# Altium PCB Tub_Board.PcbDoc (part 2 of 2)
Units mm, origin at the board's own origin, x right, y up, seen from the top; angles counter-clockwise.
Board outline 198 x 198 mm, 2 copper layers (Top Layer, Bottom Layer), stack 1.671 mm thick; 233 components, 179 nets, 696 pads, 84 vias.
Unrouted connection lines stored in the file: 22.
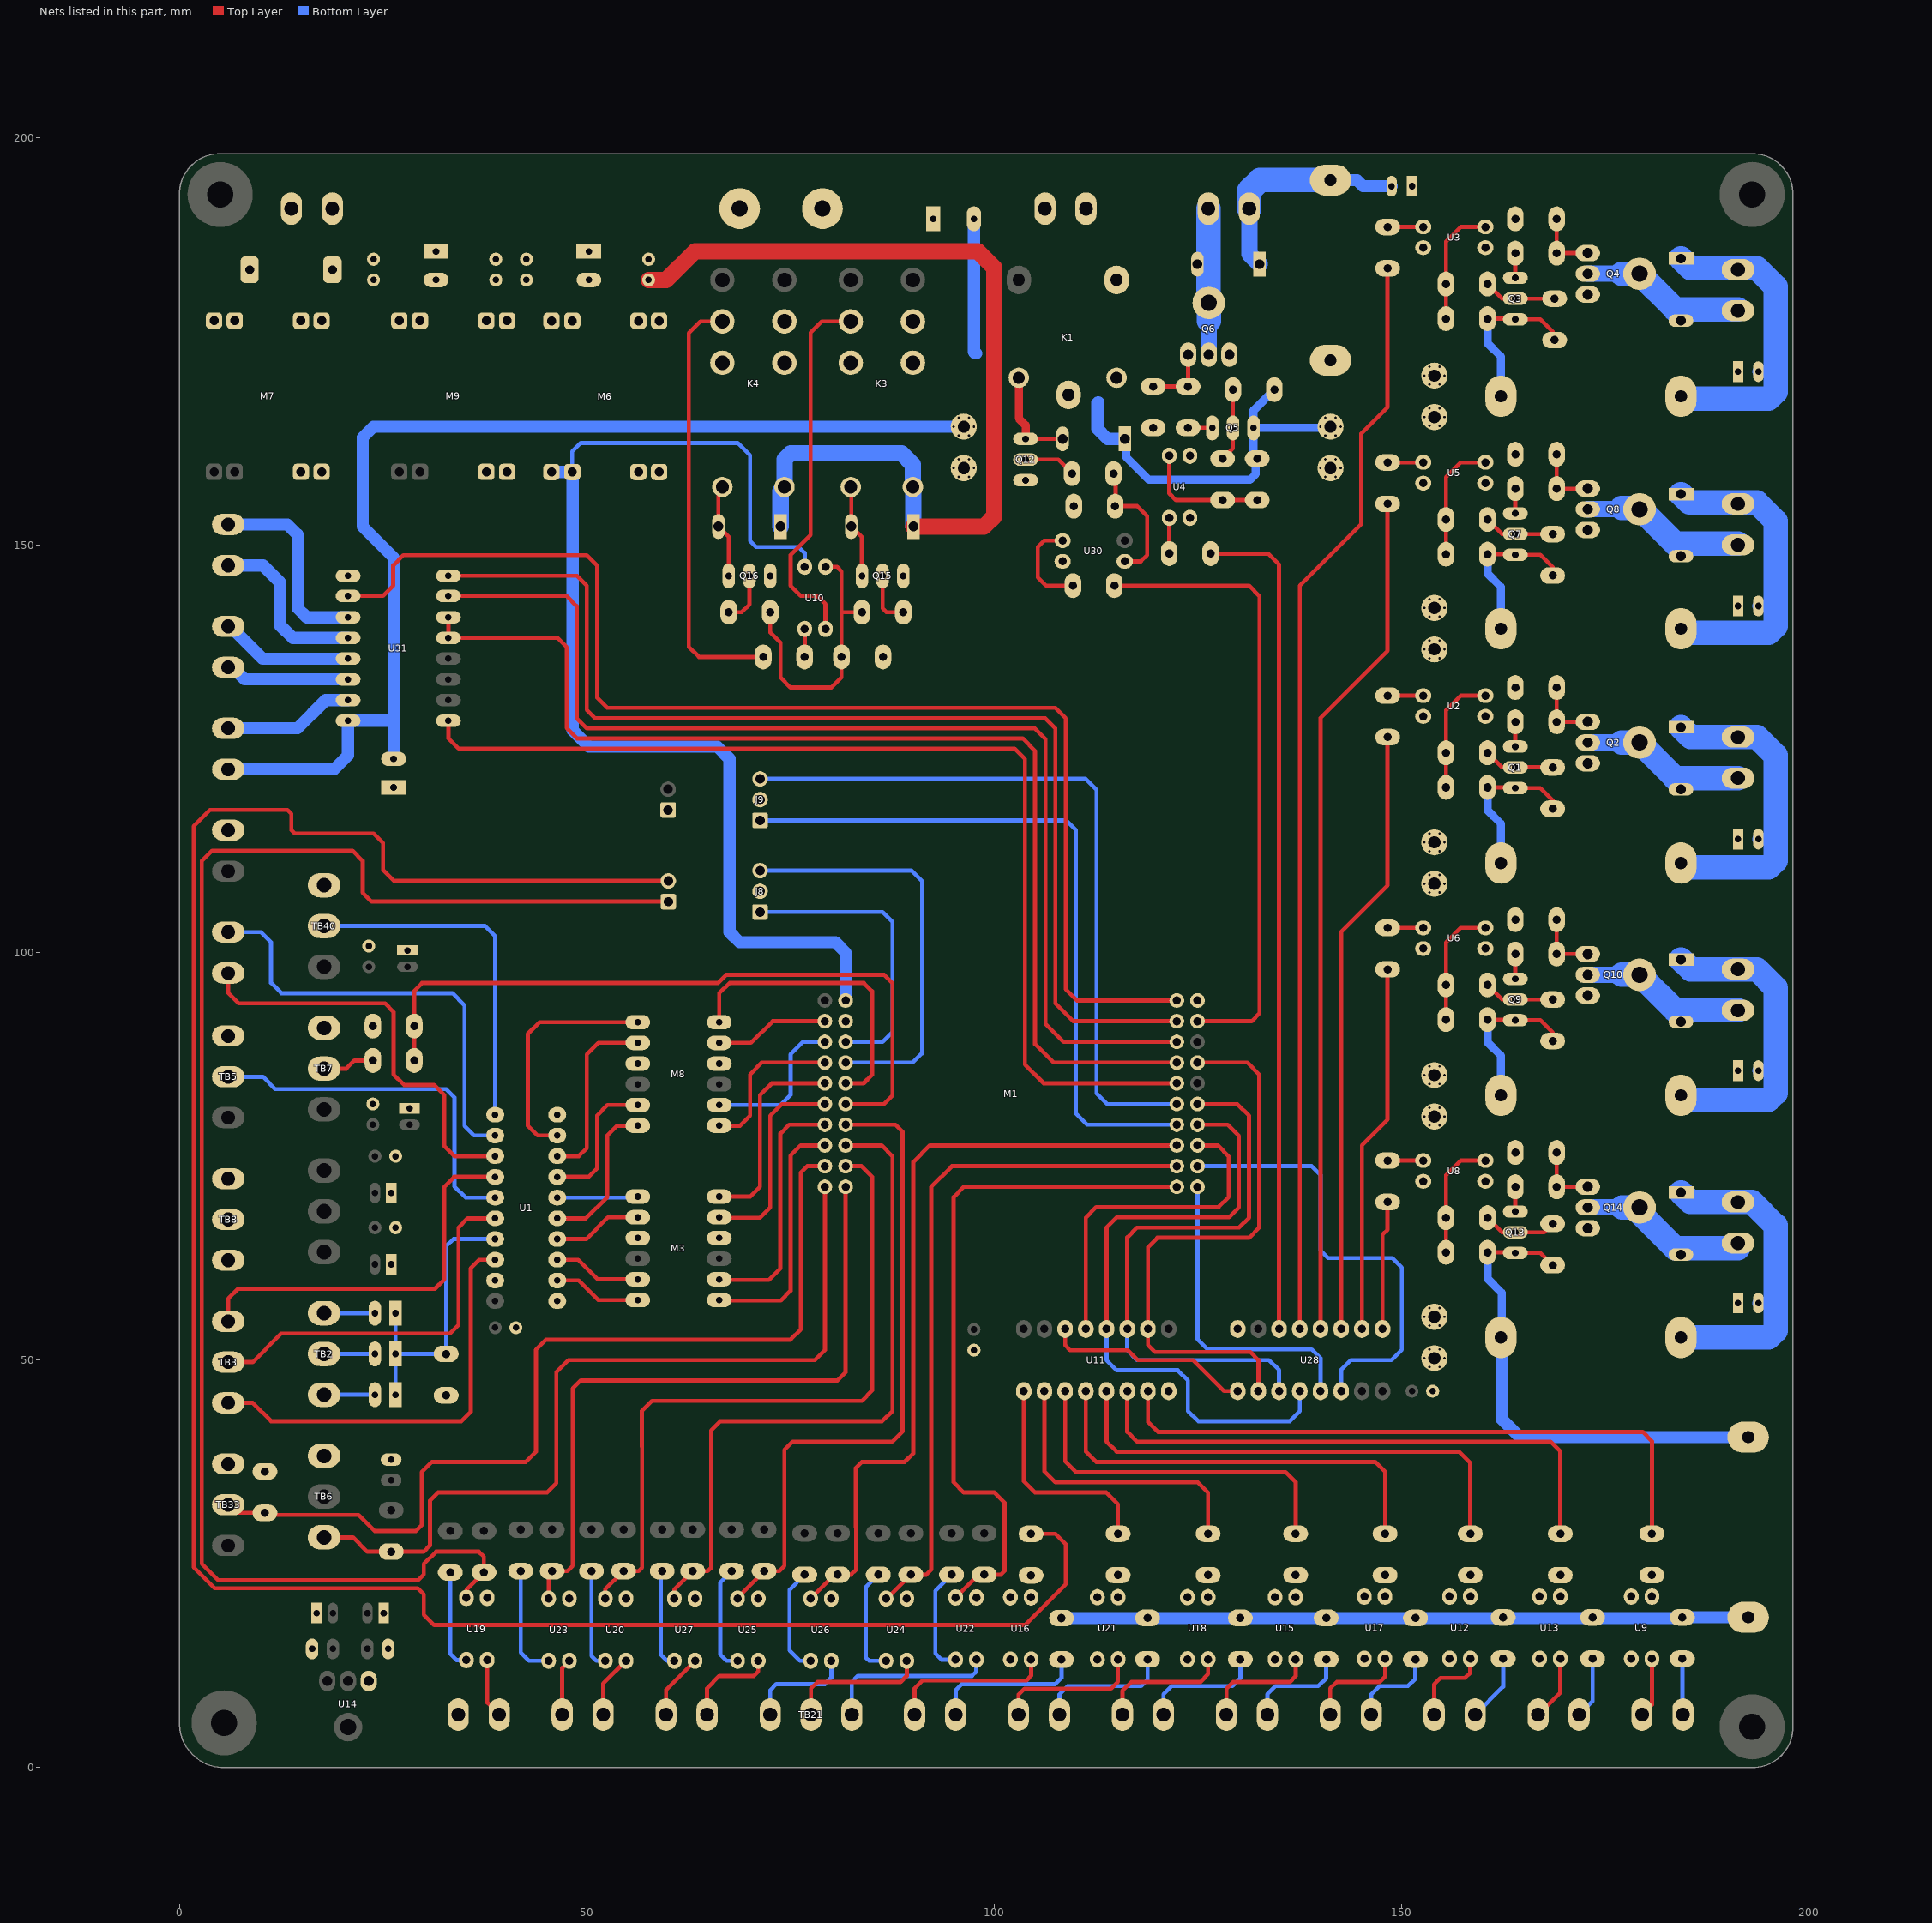
[diagram p2: the nets of this part, all layers, seen from the top]

## Via types
v1: diameter 0.6, hole 0.3, Top Layer to Bottom Layer, 84 vias

## Nets (pads, with @x,y where several pads share a name; then routed paths per layer and width w, separated by ;. In a path a pad name is that pad's centre, name@x,y a point inside that pad or via, vN(x,y) a via of type N, cw(c..) or ccw(c..) an arc to the next point about the centre after c; other vN are vias at no path point) (continued)
+Bat: C23.A C24.A D9.K F1.1 F2.1 F3.1 F4.1 F5.1 F6.2 F7.2 J1.1 J1.2 J2.1 J2.2 J3.1 J3.2 J4.1 J4.2 J5.1 J5.2 J6.1 J6.2 J7.1 J7.2 K1.1 K1.4 K3.2 K3.7 Q1.1 Q3.1 Q5.1 Q7.1 Q9.1 Q13.1 R19.2 R25.2 R31.2 R37.2 R43.2 R53.2 R63.2 R64.2 R65.2 R66.2 R67.2 R68.2 TB34.2 U31.V_MOT | length 340.4
  Top Layer w0.5: R53.2@160.5,63.22 163.84,63.22 Q13.1@163.92,63.14 167,63.14 R68.2@168.5,61.641 ; R43.2@160.5,91.764 Q9.1@163.84,91.764 ; R19.2@160.5,120.25 Q1.1@163.84,120.25 ; R37.2@160.5,148.863 Q7.1@163.84,148.863 ; R25.2@160.5,177.75 Q3.1@163.84,177.75 ; Q9.1@163.92,91.684 167,91.684 168.5,90.185 ; Q1.1@163.92,120.17 167,120.17 168.5,118.67 ; Q7.1@163.92,148.783 167,148.783 168.5,147.283 ; Q3.1@163.92,177.67 167,177.67 168.5,176.17
  Bottom Layer w1: D9.K@116,163 116.173,162.827 116.173,160.765 118.938,158 131.397,158 132.078,158.68 132.078,160.402 R31.2@132.25,160.574 131.815,161.009 Q5.1@131.815,164.352 ; R67.2@134.355,169.04 131.815,166.5 Q5.1@131.815,164.352 ; J7.2@141.25,164.501 141.101,164.352 Q5.1@131.815,164.352 ; R53.2@160.5,63.22 160.5,60 162.25,58.25 F5.1@162.25,52.866 ; R43.2@160.5,91.764 160.5,89 162.152,87.348 F4.1@162.152,82.471 ; R19.2@160.5,120.25 160.5,117.45 162.152,115.798 F2.1@162.152,110.971 ; R37.2@160.5,148.863 160.5,146.5 162.152,144.848 F1.1@162.152,139.721 ; R25.2@160.5,177.75 160.5,174.75 162.152,173.098 F3.1@162.152,168.221
  Bottom Layer w1.5: TB34.2@6,122.471 18.971,122.471 20.7,124.2 U31.V_MOT@20.7,128.42 26.12,128.42 26.29,128.25 ; C24.A@26.29,123.75 26.29,128.25 ; J1.2@96.25,164.501 v1(95,164.501) 23.83,164.501 22.5,163.17 22.5,152.25 26.29,148.46 26.29,128.25 ; C23.A@97.5,190 97.5,173.75 ccw(c97.75,173.75) 97.75,173.5 ; 112.75,167.5 112.646,167.396 112.646,164.25 113.896,163 D9.K@116,163 ; F5.1@162.25,52.866 162.25,42.75 164.462,40.538 F7.2@192.5,40.538
  other v1: 153.375,49.145 154.625,49.145 152.75,50.228 155.25,50.228 153.375,51.31 154.625,51.31 153.375,54.225 154.625,54.225 152.75,55.308 155.25,55.308 153.375,56.39 154.625,56.39 153.375,78.787 154.625,78.787 152.75,79.87 155.25,79.87 153.375,80.953 154.625,80.953 153.375,83.867 154.625,83.867 152.75,84.95 155.25,84.95 153.375,86.033 154.625,86.033 153.375,107.348 154.625,107.348 152.75,108.431 155.25,108.431 153.375,109.513 154.625,109.513 153.375,112.428 154.625,112.428 152.75,113.511 155.25,113.511 153.375,114.593 154.625,114.593 153.375,136.098 154.625,136.098 152.75,137.181 155.25,137.181 153.375,138.263 154.625,138.263 153.375,141.178 154.625,141.178 152.75,142.261 155.25,142.261 153.375,143.343 154.625,143.343 95.625,158.338 96.875,158.338 140.625,158.338 141.875,158.338 95,159.421 97.5,159.421 140,159.421 142.5,159.421 95.625,160.503 96.875,160.503 140.625,160.503 141.875,160.503 95.625,163.418 96.875,163.418 140.625,163.418 141.875,163.418 97.5,164.501 140,164.501 142.5,164.501 153.375,164.598 154.625,164.598 95.625,165.583 96.875,165.583 140.625,165.583 141.875,165.583 152.75,165.681 155.25,165.681 153.375,166.763 154.625,166.763 153.375,169.678 154.625,169.678 152.75,170.761 155.25,170.761 153.375,171.843 154.625,171.843
+VBAT: K3.3 K3.6 ST1.1 U10.2 | length 45.8
  Top Layer w0.5: U10.2@79.27,139.69 79.27,142.716 78.25,143.736 76.264,143.736 75,145 75,148.754 77.46,151.214 77.46,176.05 78.83,177.42 K3.6@82.38,177.42
+VBUS: M1.VBUS M6.+VO U10.4 | length 142.3
  Bottom Layer w0.5: M6.+VO@48.208,158.941 48.208,161.458 49.25,162.5 68.5,162.5 70.024,160.976 70.024,150.476 70.75,149.75 76,149.75 76.73,149.02 U10.4@76.73,147.31
  Bottom Layer w1.5: M6.+VO@45.668,158.941 M6.+VO@48.208,158.941 48.25,158.899 48.25,127.25 50.25,125.25 66,125.25 67.5,123.75 67.5,102.5 68.75,101.25 80.495,101.25 81.745,100 M1.VBUS@81.745,94.11
+VLED: F7.1 R1.2 R2.2 R9.2 R10.2 R15.2 R22.2 R28.2 R46.2 | length 84.3
  Bottom Layer w1.5: R15.2@108.25,18.347 184.336,18.347 R1.2@184.429,18.44 F7.1@192.5,18.44
+Vreg: C9.A C10.A C14.1 C15.1 C17.1 C20.1 D10.K D11.K D12.K K3.1 K4.1 M6.+VIN M7.+VIN M9.+VIN | length 118.4
  Top Layer w2: C20.1@57.58,182.5 59.75,182.5 63.25,186 98,186 100,184 100,153.5 98.75,152.25 D11.K@90.06,152.25
  Bottom Layer w2: D12.K@73.77,152.25 73.77,156.62 K4.1@74.25,157.1 74.25,160.481 75.019,161.25 88.608,161.25 90,159.858 K3.1@90,157.1 90.06,157.04 D11.K@90.06,152.25
-VBAT: K4.3 K4.6 R86.2 ST1.2 | length 52.9
  Top Layer w0.5: K4.6@66.63,177.42 63.92,177.42 62.5,176 62.5,137.5 63.75,136.25 R86.2@71.65,136.25
All_Cycle: M1.PE2 R82.1 U27.4 | length 84.4
  Top Layer w0.5: U27.4@60.735,20.73 60.735,21.845 R82.1@63,24.11 64.836,24.11 65.274,24.548 65.274,29.945 65.25,29.969 65.25,41.36 66.39,42.5 86.25,42.5 87.5,43.75 87.5,75 86.17,76.33 M1.PE2@81.745,76.33
All_Cycle_Led: R6.1 U11.6 | length 69.2
  Top Layer w0.5: U11.6@116.31,46.19 116.31,41.19 117.5,40 168.25,40 169.44,38.81 R6.1@169.44,28.69
Auto: M1.PD6 R80.1 U26.4 | length 96.2
  Top Layer w0.5: U26.4@77.46,20.73 80.4,23.67 R80.1@80.75,23.67 82.42,23.67 83.024,24.274 83.024,29.505 83,29.529 83,36.75 83.75,37.5 89,37.5 90.06,38.56 90.06,74.31 92.08,76.33 M1.PD6@122.385,76.33
Auto_Led: R34.1 U11.1 | length 27.4
  Top Layer w0.5: U11.1@103.61,46.19 103.61,35.14 105,33.75 113.75,33.75 115.186,32.314 R34.1@115.186,28.697
C_Pump: R32.1 U28.6 | length 102.7
  Top Layer w0.5: R32.1@126.54,148.932 133.601,148.932 134.94,147.593 U28.6@134.94,53.81
Cycle1: M1.PE1 R78.1 U25.4 | length 81.3
  Top Layer w0.5: U25.4@68.5,20.73 68.5,20.86 R78.1@71.75,24.11 73.61,24.11 74.25,24.75 74.25,39 75.25,40 87.5,40 88.75,41.25 88.75,77.25 88.75,78 87.88,78.87 M1.PE1@81.745,78.87
Cycle1_Led: R17.1 U11.5 | length 60.6
  Top Layer w0.5: U11.5@113.77,46.19 113.77,40 115,38.77 156.98,38.77 158.4,37.35 R17.1@158.4,28.69
Cycle2: M1.PF1 R74.1 U23.4 | length 85.2
  Top Layer w0.5: U23.4@45.31,20.73 45.31,23.67 R74.1@45.75,24.11 47.61,24.11 48.25,24.75 48.25,46.5 49.25,47.5 80.75,47.5 81.745,48.495 M1.PF1@81.745,71.25
Cycle2_Led: R40.1 U11.4 | length 52.8
  Top Layer w0.5: U11.4@111.23,46.19 111.23,38.77 112.5,37.5 146.75,37.5 147.94,36.31 R40.1@147.94,28.69
Cycle3: M1.PE3 R57.1 U20.4 | length 85.3
  Top Layer w0.5: U20.4@52.264,20.73 52.264,21.874 R57.1@54.5,24.11 56.36,24.11 56.774,24.524 56.774,39.36 56.75,39.384 56.75,43.75 58,45 83.75,45 85,46.25 85,72.5 83.71,73.79 M1.PE3@81.745,73.79
Cycle3_Led: R49.1 U11.2 | length 36
  Top Layer w0.5: U11.2@106.15,46.19 106.15,36.35 107.5,35 124.976,35 126.226,33.75 R49.1@126.226,28.697
DRV_DIR: M1.PF3 U31.DIR | length 140.7
  Top Layer w0.5: U31.DIR@33.019,146.2 48.8,146.2 50,145 50,129.75 51,128.75 106.25,128.75 107.5,127.5 107.5,93.75 109.68,91.57 M1.PF3@122.385,91.57
DRV_E\N\: M1.PC5 U31.ENABLE | length 131
  Top Layer w0.5: U31.ENABLE@33.019,128.42 33.019,126.25 34.269,125 102.5,125 103.75,123.75 103.75,117.84 103.75,86.25 106.05,83.95 M1.PC5@122.385,83.95
DRV_F\A\U\L\T\: M1.PF2 U31.FAULT | length 156.9
  Top Layer w0.5: U31.FAULT@20.7,143.736 24.986,143.736 26.25,145 26.25,147.5 27.5,148.75 50,148.75 51.25,147.5 51.25,131.25 52.5,130 107.5,130 108.75,128.75 108.75,123.75 108.75,95.5 110.14,94.11 M1.PF2@122.385,94.11
DRV_S\L\P\: M1.PC4 U31.RESET U31.SLEEP | length 140.4
  Top Layer w0.5: U31.SLEEP@33.019,141.12 U31.RESET@33.019,138.58 46.42,138.58 47.514,137.486 47.514,127.536 48.8,126.25 103.469,126.25 105,124.719 105,88.75 107.26,86.49 M1.PC4@122.385,86.49
DRV_STEP: M1.PB3 U31.STEP | length 140.5
  Top Layer w0.5: U31.STEP@33.019,143.736 47.514,143.736 48.75,142.5 48.75,128.75 50,127.5 104.969,127.5 106.28,126.19 106.28,91.25 108.5,89.03 M1.PB3@122.385,89.03
Echo1-T: D6.A TB2.3 | length 6.3
  Bottom Layer w0.5: TB2.3@17.75,45.75 D6.A@24,45.75
Echo2-T: D8.A TB2.2 | length 6.3
  Bottom Layer w0.5: TB2.2@17.75,50.75 D8.A@24,50.75
Echo3-T: D13.A TB2.1 | length 6.3
  Bottom Layer w0.5: TB2.1@17.75,55.75 D13.A@24,55.75
Echo4: M8.5 U1.7 | length 17.3
  Top Layer w0.5: U1.7@46.37,72.47 50.22,72.47 51.25,73.5 51.25,80 52.54,81.29 M8.5@56.25,81.29
Echo4-T: TB39.2 U1.13 | length 51.7
  Top Layer w0.5: TB39.2@6,97.471 6,95 7.25,93.75 25.25,93.75 26.29,92.71 26.29,85.04 27.58,83.75 31.25,83.75 32.5,82.5 32.5,76.25 33.74,75.01 U1.13@38.75,75.01
Echo4_3.3: M1.PB0 M8.8 | length 19.1
  Bottom Layer w0.5: M8.8@66.25,81.29 73.79,81.29 75,82.5 75,87.5 76.53,89.03 M1.PB0@79.205,89.03
Echo-T: D6.K D8.K D13.K R51.2 U1.17 | length 35.8
  Bottom Layer w0.5: D6.K@26.54,45.75 D8.K@26.54,50.75 ; D13.K@26.54,55.75 D8.K@26.54,50.75 ; U1.17@38.75,64.85 33.62,64.85 32.75,63.98 R51.2@32.75,50.75 D8.K@26.54,50.75
Echo_3.3: M1.PB4 M3.8 | length 30.6
  Top Layer w0.5: M3.8@66.25,59.9 66.31,59.84 72.34,59.84 73.75,61.25 73.75,77.787 74.833,78.87 M1.PB4@79.205,78.87
Echo_5: M3.5 U1.3 | length 10.9
  Top Layer w0.5: U1.3@46.37,62.31 48.94,62.31 51.35,59.9 M3.5@56.25,59.9
Encoder_FB: M8.1 U1.9 | length 29.5
  Top Layer w0.5: U1.9@46.37,77.55 43.95,77.55 42.75,78.75 42.75,90 44.2,91.45 M8.1@56.25,91.45
Encoder_FB_3.3: M1.PD2 M8.12 | length 37.2
  Top Layer w0.5: M8.12@66.25,91.45 66.25,95 67.5,96.25 84,96.25 85,95.25 85,85 83.95,83.95 M1.PD2@81.745,83.95
Encoder_FB_T: TB40.2 U1.11 | length 43.4
  Bottom Layer w0.5: TB40.2@17.75,103.25 37.5,103.25 38.75,102 U1.11@38.75,80.09
Flow1_FB: M8.6 U1.5 | length 19
  Top Layer w0.5: U1.5@46.37,67.39 49.89,67.39 52.5,70 52.5,77.537 53.713,78.75 M8.6@56.25,78.75
Flow1_FB_3.3: M1.PB1 M8.7 | length 19.1
  Top Layer w0.5: M8.7@66.25,78.75 68.8,78.75 70.03,79.98 70.03,85.04 71.48,86.49 M1.PB1@79.205,86.49
Flow_FB-T: TB5.2 U1.15 | length 45.3
  Bottom Layer w0.5: TB5.2@6,84.75 10.25,84.75 11.75,83.25 32.75,83.25 33.75,82.25 33.75,71.32 35.14,69.93 U1.15@38.75,69.93
GND: C1.K C2.2 C3.2 C4.K C5.K C6.2 C7.2 C8.2 C9.K C10.K C11.K C12.2 C13.2 C14.2 C15.2 C16.K C17.2 C18.K C19.K C20.2 C21.K C22.K C23.K C24.K C25.K C27.2 C37.K C38.2 C39.2 C40.K J8.2 J9.2 J10.1 K4.2 K4.7 M1.GND M3.3 M3.10 M6.-VIN M6.-VO M7.-VIN M7.-VO M8.3 M8.10 M9.-VIN M9.-VO Q2.3 Q4.3 Q6.3 Q8.3 Q10.3 Q12.1 Q14.3 Q15.1 Q16.1 R13.1 R14.1 R24.1 R30.1 R36.1 R42.1 R48.1 R51.1 R60.1 R84.1 R87.1 TB1.2 TB5.1 TB6.1 TB7.1 TB8.1 TB8.2 TB8.3 TB27.2 TB33.1 TB40.1 TB41.1 TB42.1 U1.1 U1.10 U1.19 U2.2 U2.3 U3.2 U3.3 U4.2 U4.3 U5.2 U5.3 U6.2 U6.3 U8.2 U8.3 U9.2 U9.3 U11.8 U12.2 U12.3 U13.2 U13.3 U14.1 U15.2 U15.3 U16.2 U16.3 U17.2 U17.3 U18.2 U18.3 U19.3 U20.3 U21.2 U21.3 U22.3 U23.3 U24.3 U25.3 U26.3 U27.3 U28.8 U30.2 U31.GND_L
LT_Led_on/off: J11.2 R18.1 | length 279.9
  Top Layer w0.5: J11.2@60,108.77 59.98,108.79 26.33,108.79 25,110.12 25,113.424 23.83,114.593 14.157,114.593 13.75,115 13.75,117 13.25,117.5 3.75,117.5 1.75,115.5 1.75,24.586 4.336,22 29.25,22 30,21.25 30,18.75 31.25,17.5 103.75,17.5 108.75,22.5 108.75,27.44 107.513,28.677 R18.1@104.511,28.677
LT_on/off: J11.1 R50.1 U19.4 | length 192.8
  Top Layer w0.5: U19.4@35.221,20.82 35.221,21.795 R50.1@37.375,23.95 37.375,25.875 36.75,26.5 31.5,26.5 30,25 30,23.71 29.29,23 4.75,23 2.75,25 2.75,111.25 4,112.5 21.25,112.5 22.5,111.25 22.5,107.348 23.598,106.25 59.98,106.25 J11.1@60,106.23
Manual: M1.PD7 R76.1 U24.4 | length 85.2
  Top Layer w0.5: U24.4@86.71,20.73 86.81,20.73 R76.1@89.75,23.67 91.646,23.67 92.25,24.274 92.25,71.25 94.79,73.79 M1.PD7@122.385,73.79
Manual_Led: R16.1 U11.3 | length 44.3
  Top Layer w0.5: U11.3@108.69,46.19 108.69,37.56 110,36.25 135.75,36.25 136.976,35.024 R16.1@136.976,28.697
NetC1_A: C1.A D1.K F2.2 TB10.2 | length 39.5
  Bottom Layer w1: 195,113.91 195.69,113.91 195.85,113.75
  Bottom Layer w1.5: C1.A@193.75,113.91 195,113.91
  Bottom Layer w3: D1.K@184.25,127.62 185.45,126.42 TB10.2@191.25,126.42 ; F2.2@184.779,110.442 195,110.442 195.85,111.292 195.85,113.75 195.85,124.164 193.58,126.434 TB10.2@191.25,126.434
NetC16_A: C16.A D3.K F6.1 TB32.1 | length 27.9
  Bottom Layer w1.5: F6.1@141.25,194.75 144.5,194.75 145.25,194 C16.A@148.75,194
  Bottom Layer w2: TB32.1@131.279,191.25 131.279,185.698 D3.K@132.545,184.432
  Bottom Layer w3: TB32.1@131.279,191.25 131.279,193.449 132.58,194.75 F6.1@141.25,194.75
NetC18_A: C18.A D4.K F1.2 TB12.2 | length 39.4
  Bottom Layer w1.5: C18.A@193.75,142.5 195.85,142.5
  Bottom Layer w3: D4.K@184.25,156.233 185.299,155.184 193.58,155.184 195.85,152.914 195.85,142.5 195.85,140.042 195,139.192 F1.2@184.779,139.192
NetC19_A: C19.A D2.K F3.2 TB11.2 | length 39.4
  Bottom Layer w1.5: C19.A@193.75,171.25 195.85,171.25
  Bottom Layer w3: D2.K@184.25,185.12 185.435,183.934 193.58,183.934 195.85,181.664 195.85,171.25 195.85,168.792 195,167.942 F3.2@184.779,167.942
NetC21_A: C21.A D5.K F4.2 TB14.2 | length 40.2
  Bottom Layer w1.5: C21.A@193.75,85.5 195.848,85.5 195.85,85.498
  Bottom Layer w3: F4.2@184.25,82.471 184.779,81.942 195,81.942 195.85,82.792 195.85,85.498 195.85,95.664 193.58,97.934 TB14.2@191.25,97.934 185.45,97.934 D5.K@184.25,99.134
NetC22_A: C22.A D7.K F5.2 TB16.2 | length 39.8
  Bottom Layer w1.5: C22.A@193.75,57 195.49,57 195.85,57.36
  Bottom Layer w3: D7.K@184.25,70.57 185.43,69.39 TB16.2@191.25,69.39 192.95,69.39 195.85,66.49 195.85,57.36 195.85,53.618 195,52.768 F5.2@184.779,52.768
NetD1_A: D1.A Q2.2 TB10.1 | length 20.2
  Bottom Layer w2: Q2.2@172.825,125.764 176.996,125.764
  Bottom Layer w3: 176.996,125.764 179.175,125.764 183.534,121.405 TB10.1@191.25,121.405
NetD2_A: D2.A Q4.2 TB11.1 | length 20.2
  Bottom Layer w2: Q4.2@172.825,183.264 176.996,183.264
  Bottom Layer w3: 176.996,183.264 179.175,183.264 183.534,178.905 TB11.1@191.25,178.905
NetD3_A: D3.A Q6.2 TB32.2 | length 17.9
  Bottom Layer w2: Q6.2@126.311,173.332 126.311,177.49
  Bottom Layer w3: TB32.2@126.25,191.25 126.25,179.743 Q6.2@126.311,179.682 126.311,177.49
NetD4_A: D4.A Q8.2 TB12.1 | length 20.4
  Bottom Layer w2: Q8.2@172.825,154.363 172.865,154.403 176.996,154.403 176.996,154.514
  Bottom Layer w3: 176.996,154.514 179.175,154.514 183.534,150.155 TB12.1@191.25,150.155
NetD5_A: D5.A Q10.2 TB14.1 | length 20.2
  Bottom Layer w2: Q10.2@172.825,97.264 176.996,97.264
  Bottom Layer w3: 176.996,97.264 Q10.2@179.175,97.264 183.534,92.905 TB14.1@191.25,92.905
NetD7_A: D7.A Q14.2 TB16.1 | length 20.9
  Bottom Layer w2: Q14.2@172.825,68.72 177.04,68.72
  Bottom Layer w3: 177.04,68.72 Q14.2@179.175,68.72 179.175,68.09 183.534,63.731 TB16.1@191.25,63.731
NetD9_A: D9.A K1.5 Q12.3 | length 12.4
  Top Layer w0.5: Q12.3@103.84,163 D9.A@108.38,163
  Top Layer w1: K1.5@103,170.5 103,165.5 103.84,164.66 Q12.3@103.84,163
NetD10_A: D10.A TB1.1
NetD11_A: D11.A K3.8 Q15.3 | length 11.5
  Top Layer w0.5: K3.8@82.38,157.1 82.44,157.04 D11.A@82.44,152.25 83.75,150.94 Q15.3@83.75,146.19
NetD12_A: D12.A K4.8 Q16.3 | length 11.6
  Top Layer w0.5: K4.8@66.63,157.1 66.15,156.62 D12.A@66.15,152.25 67.42,150.98 Q16.3@67.42,146.19
NetK1_3: K1.3 TB27.1
NetQ1_2: Q1.2 R21.2 R64.1 | length 7.7
  Top Layer w0.5: R21.2@160.5,124.5 162.29,122.71 Q1.2@163.92,122.71 R64.1@167.46,122.71
NetQ1_3: Q1.3 R23.1 | length 3
  Top Layer w0.5: Q1.3@163.92,125.25 R23.1@163.92,128.29
NetQ2_1: Q2.1 R23.2 R24.2 | length 8
  Top Layer w0.5: R24.2@169,132.5 R23.2@169,128.29 Q2.1@172.825,128.29
NetQ3_2: Q3.2 R27.2 R65.1 | length 9
  Top Layer w0.5: R27.2@160.5,182 162.29,180.21 166.75,180.21 R65.1@168.75,180.21
NetQ3_3: Q3.3 R29.1 | length 3
  Top Layer w0.5: Q3.3@163.92,182.75 R29.1@163.92,185.79
NetQ4_1: Q4.1 R29.2 R30.2 | length 8
  Top Layer w0.5: R30.2@169,190 R29.2@169,185.79 Q4.1@172.825,185.79
NetQ5_2: Q5.2 R33.2 R67.1 | length 9
  Top Layer w0.5: R33.2@128,160.574 129.275,161.85 Q5.2@129.275,164.352 R67.1@129.275,169.04
NetQ5_3: Q5.3 R35.1 | length 3
  Top Layer w0.5: R35.1@123.771,164.352 Q5.3@126.735,164.352
NetQ6_1: Q6.1 R35.2 R36.2 | length 8.2
  Top Layer w0.5: R36.2@119.485,169.432 R35.2@123.771,169.432 Q6.1@123.771,173.332
NetQ7_2: Q7.2 R39.2 R63.1 | length 7.7
  Top Layer w0.5: R39.2@160.5,153.113 162.29,151.323 Q7.2@163.92,151.323 R63.1@167.46,151.323
NetQ7_3: Q7.3 R41.1 | length 3
  Top Layer w0.5: Q7.3@163.92,153.863 R41.1@163.92,156.903
NetQ8_1: Q8.1 R41.2 R42.2 | length 8
  Top Layer w0.5: R42.2@169,161.113 R41.2@169,156.903 Q8.1@172.825,156.903
NetQ9_2: Q9.2 R45.2 R66.1 | length 7.7
  Top Layer w0.5: R45.2@160.5,96.014 162.29,94.224 Q9.2@163.92,94.224 R66.1@167.46,94.224
NetQ9_3: Q9.3 R47.1 | length 3
  Top Layer w0.5: Q9.3@163.92,96.764 R47.1@163.92,99.804
NetQ10_1: Q10.1 R47.2 R48.2 | length 8
  Top Layer w0.5: R48.2@169,104.014 R47.2@169,99.804 Q10.1@172.825,99.804
NetQ12_2: Q12.2 R4.2 | length 6.4
  Top Layer w0.5: Q12.2@103.84,160.46 107.84,160.46 R4.2@109.55,158.75
NetQ13_2: Q13.2 R56.2 R68.1 | length 9.2
  Top Layer w0.5: R56.2@160.5,67.47 162.29,65.68 Q13.2@163.92,65.68 167.46,65.68 R68.1@168.5,66.721
NetQ13_3: Q13.3 R59.1 | length 3
  Top Layer w0.5: Q13.3@163.92,68.22 R59.1@163.92,71.26
NetQ14_1: Q14.1 R59.2 R60.2 | length 8
  Top Layer w0.5: R60.2@169,75.47 R59.2@169,71.26 Q14.1@172.825,71.26
NetQ15_2: Q15.2 R85.2 | length 6.7
  Top Layer w0.5: Q15.2@86.29,146.19 86.29,142.21 86.75,141.75 R85.2@88.83,141.75
NetQ16_2: Q16.2 R88.2 | length 6.4
  Top Layer w0.5: R88.2@67.42,141.75 69,141.75 69.96,142.71 Q16.2@69.96,146.19
NetR1_1: R1.1 TB23.2 | length 6.9
  Bottom Layer w0.5: R1.1@184.429,13.36 184.429,6.571 TB23.2@184.5,6.5
NetR2_1: R2.1 TB24.2 | length 7.5
  Bottom Layer w0.5: TB24.2@171.75,6.5 173.4,8.15 R2.1@173.4,13.36
NetR3_2: R3.2 U30.1 | length 11.8
  Top Layer w0.5: U30.1@108.38,150.52 106.11,150.52 105.34,149.75 105.34,146 106.34,145 R3.2@109.65,145
NetR4_1: R4.1 R84.2 U30.3 | length 16.4
  Top Layer w0.5: R4.1@114.63,158.75 114.88,158.5 R84.2@114.88,154.75 ; R84.2@114.83,154.75 R84.2@114.88,154.75 ; U30.3@116,147.98 117.98,147.98 118.75,148.75 118.75,153.545 117.875,154.42 117.545,154.75 R84.2@114.88,154.75
NetR5_2: R5.2 U9.1
NetR6_2: R6.2 U13.1
NetR9_1: R9.1 TB29.2 | length 12.9
  Bottom Layer w0.5: TB29.2@133.5,6.5 133.5,9 134.5,10 139.75,10 140.715,10.965 R9.1@140.715,13.287
NetR10_1: R10.1 TB25.2 | length 8.3
  Bottom Layer w0.5: TB25.2@159,6.507 162.429,9.936 R10.1@162.429,13.36
NetR15_1: R15.1 TB26.2 | length 18.9
  Bottom Layer w0.5: TB26.2@95.25,6.507 95.25,9.5 96,10.25 107.5,10.25 108.25,11 R15.1@108.25,13.267
NetR16_2: R16.2 U15.1
NetR17_2: R17.2 U12.1
NetR18_2: R18.2 U16.1
NetR19_1: R19.1 R21.1 U2.4 | length 15
  Top Layer w0.5: R19.1@155.42,120.25 R21.1@155.42,124.5 155.42,129.71 157.21,131.5 U2.4@160.25,131.5
NetR20_2: R20.2 U2.1 | length 4.4
  Top Layer w0.5: R20.2@148.25,131.5 U2.1@152.63,131.5
NetR22_1: R22.1 TB28.2 | length 16.5
  Bottom Layer w0.5: TB28.2@108,6.507 108,9 109,10 118,10 118.795,10.795 R22.1@118.795,13.287
NetR25_1: R25.1 R27.1 U3.4 | length 15
  Top Layer w0.5: R25.1@155.42,177.75 R27.1@155.42,182 155.42,187.209 157.21,189 U3.4@160.25,189
NetR26_2: R26.2 U3.1 | length 4.4
  Top Layer w0.5: R26.2@148.25,189 U3.1@152.63,189
NetR28_1: R28.1 TB30.2 | length 11.1
  Bottom Layer w0.5: TB30.2@146.25,6.5 146.25,9 147.25,10 150.75,10 151.67,10.92 R28.1@151.67,13.28
NetR31_1: R31.1 R33.1 U4.4 | length 15.7
  Top Layer w0.5: U4.4@121.46,160.932 121.46,156.319 122.285,155.494 R33.1@128,155.494 R31.1@132.25,155.494
NetR32_2: R32.2 U4.1 | length 4.4
  Top Layer w0.5: R32.2@121.46,148.932 U4.1@121.46,153.312
NetR34_2: R34.2 U21.1
NetR37_1: R37.1 R39.1 U5.4 | length 15
  Top Layer w0.5: R37.1@155.42,148.863 R39.1@155.42,153.113 155.42,158.323 157.21,160.113 U5.4@160.25,160.113
NetR38_2: R38.2 U5.1 | length 4.4
  Top Layer w0.5: R38.2@148.25,160.113 U5.1@152.63,160.113
NetR40_2: R40.2 U17.1
NetR43_1: R43.1 R45.1 U6.4 | length 15
  Top Layer w0.5: R43.1@155.42,91.764 R45.1@155.42,96.014 155.42,101.224 157.21,103.014 U6.4@160.25,103.014
NetR44_2: R44.2 U6.1 | length 4.4
  Top Layer w0.5: R44.2@148.25,103.014 U6.1@152.63,103.014
NetR46_1: R46.1 TB31.2 | length 15.1
  Bottom Layer w0.5: TB31.2@120.75,6.507 120.75,9 121.75,10 129.225,10 130.186,10.961 R46.1@130.186,13.287
NetR49_2: R49.2 U18.1
NetR52_2: R52.2 U19.1 | length 12.3
  Bottom Layer w0.5: R52.2@33.246,23.95 33.246,13.95 33.996,13.2 U19.1@35.221,13.2
NetR53_1: R53.1 R56.1 U8.4 | length 15
  Top Layer w0.5: R53.1@155.42,63.22 R56.1@155.42,67.47 155.42,72.68 157.21,74.47 U8.4@160.25,74.47
NetR55_2: R55.2 U8.1 | length 4.4
  Top Layer w0.5: R55.2@148.25,74.47 U8.1@152.63,74.47
NetR61_2: R61.2 U20.1 | length 12.4
  Bottom Layer w0.5: R61.2@50.569,24.11 50.569,13.681 51.14,13.11 U20.1@52.264,13.11
NetR70_2: R70.2 U22.1 | length 13.3
  Bottom Layer w0.5: R70.2@94.75,23.67 92.75,21.67 92.75,14 93.5,13.25 U22.1@95.25,13.25
NetR75_2: R75.2 U23.1 | length 13.8
  Bottom Layer w0.5: R75.2@41.884,24.11 41.884,14.116 42.89,13.11 U23.1@45.31,13.11
NetR77_2: R77.2 U24.1 | length 13.4
  Bottom Layer w0.5: R77.2@85.75,23.67 84.25,22.17 84.25,13.5 84.64,13.11 U24.1@86.71,13.11
NetR79_2: R79.2 U25.1 | length 13.2
  Bottom Layer w0.5: R79.2@67.775,24.11 66.39,22.725 66.39,13.86 67.14,13.11 U25.1@68.5,13.11
NetR81_2: R81.2 U26.1 | length 13.2
  Bottom Layer w0.5: R81.2@76.73,23.67 74.87,21.81 74.87,14.38 76.14,13.11 U26.1@77.46,13.11
NetR83_2: R83.2 U27.1 | length 12.4
  Top Layer w0.5: R83.2@59.085,24.11 R83.2@59.25,24.11
  Bottom Layer w0.5: R83.2@59.085,24.11 59.085,13.846 59.821,13.11 U27.1@60.735,13.11
NetR85_1: R85.1 R87.2 R88.1 U10.3 | length 34.8
  Top Layer w0.5: R88.1@72.5,141.75 72.5,139.25 73.77,137.98 73.77,133.73 75,132.5 80,132.5 81.25,133.75 R87.2@81.25,136.25 81.25,141.75 ; U10.3@79.27,147.31 80.69,147.31 81.25,146.75 81.25,141.75 ; R85.1@83.75,141.75 81.25,141.75
NetR86_1: R86.1 U10.1 | length 3.4
  Top Layer w0.5: R86.1@76.73,136.25 U10.1@76.73,139.69
NetTB20_1: TB20.1 U23.2 | length 7
  Top Layer w0.5: TB20.1@46.971,6.5 46.971,12.231 U23.2@47.85,13.11
NetTB20_2: TB20.2 U20.2 | length 7.8
  Top Layer w0.5: TB20.2@52,6.5 52,10.306 U20.2@54.804,13.11
NetTB21_1: TB21.1 U26.2 | length 13.2
  Bottom Layer w0.5: TB21.1@72.511,6.5 72.511,9.5 73.261,10.25 79.205,10.25 80,11.045 U26.2@80,13.11
NetTB21_2: TB21.2 U24.2 | length 17.5
  Top Layer w0.5: TB21.2@77.511,6.5 77.511,9.721 78.29,10.5 88.5,10.5 89.25,11.25 U24.2@89.25,13.11
NetTB21_3: TB21.3 U22.2 | length 21.3
  Bottom Layer w0.5: TB21.3@82.511,6.5 82.511,10.5 83.261,11.25 97.25,11.25 97.79,11.79 U22.2@97.79,13.25
NetTB22_1: TB22.1 U27.2 | length 8.1
  Top Layer w0.5: TB22.1@59.721,6.507 59.721,9.555 U27.2@63.275,13.11
NetTB22_2: TB22.2 U25.2 | length 11.7
  Top Layer w0.5: TB22.2@64.75,6.507 64.75,9.75 66.25,11.25 70.5,11.25 71.04,11.79 U25.2@71.04,13.11
NetTB23_1: TB23.1 U9.4 | length 7.4
  Top Layer w0.5: TB23.1@179.471,6.5 180.69,7.719 U9.4@180.69,13.36
NetTB24_1: TB24.1 U13.4 | length 8
  Top Layer w0.5: TB24.1@166.721,6.5 169.44,9.219 U13.4@169.44,13.36
NetTB25_1: TB25.1 U12.4 | length 10.4
  Top Layer w0.5: TB25.1@153.971,6.507 153.971,10.221 154.75,11 157.75,11 158.4,11.65 U12.4@158.4,13.36
NetTB26_1: TB26.1 U16.4 | length 20.1
  Top Layer w0.5: TB26.1@90.221,6.507 90.221,9.721 91.192,10.692 103.942,10.692 104.511,11.261 U16.4@104.511,13.267
NetTB28_1: TB28.1 U21.4 | length 18.1
  Top Layer w0.5: TB28.1@102.971,6.507 102.971,8.971 103.692,9.692 114.322,9.692 115.186,10.556 U21.4@115.186,13.287
NetTB29_1: TB29.1 U15.4 | length 14.4
  Top Layer w0.5: TB29.1@128.471,6.5 128.471,9.692 129.279,10.5 136.25,10.5 136.976,11.226 U15.4@136.976,13.287
NetTB30_1: TB30.1 U17.4 | length 12.7
  Top Layer w0.5: TB30.1@141.221,6.5 141.221,9.721 142,10.5 147.25,10.5 147.94,11.19 U17.4@147.94,13.36
NetTB31_1: TB31.1 U18.4 | length 16.1
  Top Layer w0.5: TB31.1@115.721,6.507 115.721,9.412 116.808,10.5 125.25,10.5 126.226,11.476 U18.4@126.226,13.287
NetTB34_1: TB34.1 U31.GND_MOT | length 16.1
  Bottom Layer w1.5: TB34.1@6,127.5 14.5,127.5 17.96,130.96 U31.GND_MOT@20.7,130.96
NetTB35_1: TB35.1 U31.A2 | length 24.7
  Bottom Layer w1.5: TB35.1@6,152.5 13.25,152.5 14.5,151.25 14.5,142.25 15.63,141.12 U31.A2@20.7,141.12
NetTB35_2: TB35.2 U31.A1 | length 22.1
  Bottom Layer w1.5: TB35.2@6,147.471 10.279,147.471 12.33,145.42 12.33,140.17 13.92,138.58 U31.A1@20.7,138.58 ; TB35.2@6,147.75 TB35.2@6.62,147.75
NetTB38_1: TB38.1 U31.B1 | length 16.3
  Bottom Layer w1.5: TB38.1@6,140 6.25,140 10.21,136.04 U31.B1@20.7,136.04
NetTB38_2: TB38.2 U31.B2 | length 15.3
  Bottom Layer w1.5: TB38.2@6,134.971 6.529,134.971 8,133.5 U31.B2@20.7,133.5
NetTB41_2: TB41.2 U19.2 | length 7.3
  Top Layer w0.5: U19.2@37.761,13.2 37.761,7.996 TB41.2@39.25,6.507
ON/OFF: M1.PF4 R69.1 U22.4 | length 85.9
  Top Layer w0.5: U22.4@95.25,20.87 98.05,23.67 R69.1@98.75,23.67 100.81,23.67 101.25,24.11 101.25,32.5 100,33.75 96.25,33.75 95,35 95,70 96.25,71.25 M1.PF4@122.385,71.25
ON/OFF_Led: R5.1 U11.7 | length 78
  Top Layer w0.5: U11.7@118.85,46.19 118.85,42.4 120.06,41.19 179.56,41.19 180.69,40.06 R5.1@180.69,28.69
PH_FB: R11.2 TB7.2 | length 6.4
  Top Layer w0.5: TB7.2@17.75,85.75 20.5,85.75 21.5,86.75 R11.2@23.75,86.75
PH_FB_3.3V: M1.PD3 R11.1 R14.2 | length 88.4
  Top Layer w0.5: R11.1@28.83,86.75 R14.2@28.83,90.97 28.83,95.304 29.776,96.25 66.086,96.25 67.086,97.25 86.5,97.25 87.5,96.25 87.5,82.471 86.439,81.41 M1.PD3@81.745,81.41
Pump_EN: M1.PB2 R3.1 | length 77.5
  Top Layer w0.5: R3.1@114.73,145 131.25,145 132.545,143.705 132.545,92.545 131.57,91.57 M1.PB2@124.925,91.57
RX2_ESP: J9.1 M1.PC7 | length 87
  Bottom Layer w0.5: J9.1@71.25,116.21 108.79,116.21 110,115 110,80.25 111.38,78.87 M1.PC7@122.385,78.87
SCL_3.3: J8.1 M1.PD0 | length 36.5
  Bottom Layer w0.5: J8.1@71.25,104.96 86.29,104.96 87.5,103.75 87.5,90.25 86.28,89.03 M1.PD0@81.745,89.03
SDA_3.3: J8.3 M1.PD1 | length 51.4
  Bottom Layer w0.5: J8.3@71.25,110.04 89.855,110.04 91.145,108.75 91.145,87.645 89.99,86.49 M1.PD1@81.745,86.49
SIPO_\M\R\: M1.PF0 U11.10 U28.10 | length 71.7
  Top Layer w0.5: M1.PF0@124.925,86.49 131.039,86.49 132.5,85.029 132.5,66.25 131.25,65 120,65 118.85,63.85 118.85,51.841 119.691,51 131.412,51 132.4,50.012 U28.10@132.4,46.19
SIPO_\O\E\_LED: M1.PA4 U11.13 | length 41.6
  Top Layer w0.5: U11.13@111.23,53.81 111.23,67.48 112.5,68.75 127.5,68.75 128.75,70 128.75,75 127.42,76.33 M1.PA4@124.925,76.33
SIPO_\O\E\_VALVE: M1.PA2 U28.13 | length 38.8
  Bottom Layer w0.5: M1.PA2@124.925,71.25 124.925,52.575 126.19,51.31 138.94,51.31 140.02,50.23 U28.13@140.02,46.19
SIPO_DS: M1.PA3 U28.14 | length 56.8
  Bottom Layer w0.5: M1.PA3@124.925,73.79 138.96,73.79 140.02,72.73 140.02,63.45 140.97,62.5 148.85,62.5 150,61.35 150,51.25 148.75,50 143.75,50 142.56,48.81 U28.14@142.56,46.19
SIPO_Q7S: U11.14 U28.9 | length 25.5
  Top Layer w0.5: U11.14@108.69,53.81 108.69,51.809 109.289,51.21 116.39,51.21 117.6,50 124.357,50 128.167,46.19 U28.9@129.86,46.19
SIPO_SH_CP: M1.PB7 U11.11 U28.11 | length 71.4
  Top Layer w0.5: U11.11@116.31,53.81 116.31,65.06 117.5,66.25 130.029,66.25 131.25,67.471 131.25,79.98 129.82,81.41 M1.PB7@124.925,81.41
  Bottom Layer w0.5: U11.11@116.31,53.81 116.31,51.19 117.5,50 133.7,50 134.94,48.76 U28.11@134.94,46.19
SIPO_ST_CP: M1.PB6 U11.12 U28.12 | length 79.9
  Top Layer w0.5: U11.12@113.77,53.81 113.77,66.23 115.04,67.5 128.78,67.5 130,68.72 130,77.5 128.63,78.87 M1.PB6@124.925,78.87
  Bottom Layer w0.5: U11.12@113.77,53.81 113.77,49.98 115,48.75 122.5,48.75 123.75,47.5 123.75,43.75 125,42.5 136.25,42.5 137.48,43.73 U28.12@137.48,46.19
T_FB: M1.PA7 R12.1 TB6.3 | length 103.7
  Top Layer w0.5: TB6.3@17.75,28.25 21.33,28.25 23.08,26.5 R12.1@26,26.5 30,26.5 30.75,27.25 30.75,32.75 31.75,33.75 45.12,33.75 46.25,34.88 46.25,48.5 47.75,50 78,50 79.205,51.205 M1.PA7@79.205,71.25
T_NTC: M1.PA6 R13.2 TB33.2 | length 115.2
  Top Layer w0.5: TB33.2@6,31.25 R13.2@10.5,31.25 10.5,31 22,31 23.97,29.03 29.03,29.03 29.75,29.75 29.75,36.25 31,37.5 42.5,37.5 43.75,38.75 43.75,51.25 45,52.5 75,52.5 76.25,53.75 76.25,73 77.04,73.79 M1.PA6@79.205,73.79
Trig1: M3.6 U1.2 | length 10.9
  Top Layer w0.5: U1.2@46.37,59.77 48.98,59.77 51.39,57.36 M3.6@56.25,57.36
Trig1-T: TB3.3 U1.18 | length 52.2
  Top Layer w0.5: TB3.3@6,44.75 9,44.75 11.25,42.5 34.62,42.5 35.75,43.63 35.75,61.25 36.81,62.31 U1.18@38.75,62.31
Trig1_3.3: M1.PA5 M3.7 | length 30.6
  Top Layer w0.5: M3.7@66.25,57.36 66.31,57.3 73.8,57.3 75,58.5 75,75.08 76.25,76.33 M1.PA5@79.205,76.33
Trig2: M3.2 U1.4 | length 11
  Top Layer w0.5: U1.4@46.37,64.85 49.92,64.85 52.59,67.52 M3.2@56.25,67.52
Trig2-T: TB3.2 U1.16 | length 47.1
  Top Layer w0.5: TB3.2@6,49.75 9,49.75 12.5,53.25 33.19,53.25 34.25,54.31 34.25,66.27 35.37,67.39 U1.16@38.75,67.39
Trig2_3.3: M1.PE5 M3.11 | length 25.4
  Top Layer w0.5: M3.11@66.25,67.52 66.31,67.46 71.24,67.46 72.5,68.72 72.5,79.98 73.93,81.41 M1.PE5@79.205,81.41
Trig3: M3.1 U1.6 | length 9.9
  Bottom Layer w0.5: U1.6@46.37,69.93 56.12,69.93 M3.1@56.25,70.06
Trig3-T: TB3.1 U1.14 | length 48.4
  Top Layer w0.5: TB3.1@6,54.75 6,57.547 7.203,58.75 31.35,58.75 32.5,59.9 32.5,71.25 33.72,72.47 U1.14@38.75,72.47
Trig3_3.3: M1.PE4 M3.12 | length 25.3
  Top Layer w0.5: M3.12@66.25,70.06 70.05,70.06 71.25,71.26 71.25,82.5 72.7,83.95 M1.PE4@79.205,83.95
Trig4: M8.2 U1.8 | length 22.4
  Top Layer w0.5: U1.8@46.37,75.01 49.01,75.01 50,76 50,87.5 51.41,88.91 M8.2@56.25,88.91
Trig4-T: TB39.1 U1.12 | length 54.7
  Bottom Layer w0.5: TB39.1@6,102.5 10,102.5 11.25,101.25 11.25,96.264 12.514,95 33.5,95 35,93.5 35,78.721 36.17,77.55 U1.12@38.75,77.55
Trig4_3.3: M1.PB5 M8.11 | length 14.1
  Top Layer w0.5: M8.11@66.25,88.91 70.15,88.91 72.81,91.57 M1.PB5@79.205,91.57
TX2_ESP: J9.3 M1.PC6 | length 89.5
  Bottom Layer w0.5: J9.3@71.25,121.29 111.21,121.29 112.54,119.96 112.54,82.71 113.84,81.41 M1.PC6@122.385,81.41
Valve1_EN: R20.1 U28.3 | length 75
  Top Layer w0.5: U28.3@142.56,53.81 142.56,102.56 148.25,108.25 R20.1@148.25,126.42
Valve2_EN: R26.1 U28.5 | length 134.6
  Top Layer w0.5: U28.5@137.48,53.81 137.48,144.98 145,152.5 145,163.64 148.25,166.89 R26.1@148.25,183.92
Valve3_EN: R38.1 U28.4 | length 104.6
  Top Layer w0.5: U28.4@140.02,53.81 140.02,128.77 148.25,137 R38.1@148.25,155.033
Valve4_EN: R44.1 U28.2 | length 45.4
  Top Layer w0.5: U28.2@145.1,53.81 145.1,76.35 148.25,79.5 R44.1@148.25,97.934
Valve5_EN: R55.1 U28.1 | length 15.8
  Top Layer w0.5: U28.1@147.64,53.81 147.64,65.39 148.25,66 R55.1@148.25,69.39
pads on no net: K1.2 K3.4 K3.5 K4.4 K4.5 M1.3.3V M1.P30 M1.RST MH1.MH MH2.MH MH3.MH MH4.MH U11.9 U11.15 U28.7 U28.15 U31.M0 U31.M1 U31.M2

## Polygon pours and split planes (outlines as drawn)
GND on Bottom Layer "BGND" (solid, remove dead copper, pour order 49): 0,0 0,198 197.5,198 198,197.5 198,0
+Bat on Bottom Layer "+BAT" (solid, remove dead copper, pour order 48): 137.5,173.75 cw(c138.75,173.75) 138.75,175 143.75,175 cw(c143.75,173.75) 145,173.75 ccw(c146.25,173.75) 146.25,172.5 163.883,172.5 cw(c163.883,171.383) 165,171.383 165,164.887 cw(c163.873,164.887) 163.873,163.76 145.01,163.76 ccw(c145.01,162.5) 143.75,162.5 143.75,157.5 cw(c142.5,157.5) 142.5,156.25 140.073,156.25 cw(c140.073,157.573) 138.75,157.573 138.75,168.25 ccw(c138.25,168.25) 138.25,168.75 cw(c138.25,169.5) 137.5,169.5
+Vreg on Bottom Layer "+VREG" (solid, remove dead copper, pour order 40): 5,185 cw(c6.25,185) 6.25,186.25 10.12,186.25 cw(c10.12,185.12) 11.25,185.12 11.25,181.25 ccw(c12.5,181.25) 12.5,180 21.25,180 ccw(c21.25,181.25) 22.5,181.25 22.5,182.5 cw(c23.75,182.5) 23.75,183.75 60,183.75 cw(c60,182.5) 61.25,182.5 61.25,176.25 cw(c60,176.25) 60,175 3.75,175 cw(c3.75,176.25) 2.5,176.25 2.5,178.75 cw(c3.75,178.75) 3.75,180 ccw(c3.75,181.25) 5,181.25 5,185
NetD10_A on Bottom Layer "NetD10_A" (solid, remove dead copper, pour order 38): 16.25,193.75 cw(c17.5,193.75) 17.5,195 20,195 cw(c20,193.75) 21.25,193.75 21.25,182.5 cw(c20,182.5) 20,181.25 17.5,181.25 cw(c17.5,182.5) 16.25,182.5
+VBAT on Bottom Layer "+VBAT" (solid, remove dead copper, pour order 36): 75,193.75 cw(c76.25,193.75) 76.25,195 87.452,195 cw(c87.452,193.702) 88.75,193.702 88.75,186.25 ccw(c90,186.25) 90,185 92.494,185 cw(c92.494,183.75) 93.744,183.75 93.744,176.744 cw(c92.5,176.744) 92.5,175.5 79.5,175.5 cw(c79.5,176.25) 78.75,176.25 78.75,185.011 ccw(c77.511,185.011) 77.511,186.25 76.25,186.25 cw(c76.25,187.5) 75,187.5
-VBAT on Bottom Layer "-VBAT" (solid, remove dead copper, pour order 32): 63.75,193.75 cw(c65,193.75) 65,195 71.261,195 cw(c71.261,193.75) 72.511,193.75 72.511,186.259 ccw(c73.77,186.259) 73.77,185 76.261,185 cw(c76.261,183.75) 77.511,183.75 77.511,176.261 cw(c76.25,176.261) 76.25,175 65,175 cw(c65,176.25) 63.75,176.25
NetK1_3 on Bottom Layer "NetK1_3" (solid, remove dead copper, pour order 30): 108.75,192.5 cw(c110,192.5) 110,193.75 112.52,193.75 cw(c112.52,192.5) 113.77,192.5 113.77,187.48 ccw(c115,187.48) 115,186.25 cw(c115,183.75) 117.5,183.75 117.5,181.25 cw(c116.25,181.25) 116.25,180 110,180 cw(c110,181.25) 108.75,181.25
+Bat on Bottom Layer "+Bat" (solid, remove dead copper, pour order 26): 151.25,55.807 cw(c152.5,55.807) 152.5,57.057 163.75,57.057 cw(c163.75,55.807) 165,55.807 165,49.557 cw(c163.75,49.557) 163.75,48.307 152.5,48.307 cw(c152.5,49.557) 151.25,49.557
+Bat on Bottom Layer "+Bat" (solid, remove dead copper, pour order 24): 151.098,85.549 cw(c152.348,85.549) 152.348,86.799 163.598,86.799 cw(c163.598,85.549) 164.848,85.549 164.848,79.299 cw(c163.598,79.299) 163.598,78.049 152.348,78.049 cw(c152.348,79.299) 151.098,79.299
+Bat on Bottom Layer "+Bat" (solid, remove dead copper, pour order 22): 151.25,114.01 cw(c152.5,114.01) 152.5,115.26 163.75,115.26 cw(c163.75,114.01) 165,114.01 165,107.76 cw(c163.75,107.76) 163.75,106.51 152.5,106.51 cw(c152.5,107.76) 151.25,107.76
+Bat on Bottom Layer "+Bat" (solid, remove dead copper, pour order 20): 151.25,142.76 cw(c152.5,142.76) 152.5,144.01 163.75,144.01 cw(c163.75,142.76) 165,142.76 165,136.51 cw(c163.75,136.51) 163.75,135.26 152.5,135.26 cw(c152.5,136.51) 151.25,136.51
+Bat on Bottom Layer "+Bat" (solid, remove dead copper, pour order 10): 80,175 ccw(c80,173.75) 78.75,173.75 78.75,167.5 ccw(c80,167.5) 80,166.25 92.5,166.25 cw(c92.5,165) 93.75,165 93.75,158.75 ccw(c95,158.75) 95,157.5 97.75,157.5 ccw(c97.75,158.75) 99,158.75 99,165.25 cw(c100,165.25) 100,166.25 115,166.25 ccw(c115,167.5) 116.25,167.5 116.25,173.75 ccw(c115,173.75) 115,175
GND on Top Layer "TGND" (solid, remove dead copper, pour order 60): 96.25,55 cw(c97.5,55) 97.5,56.25 148.775,56.25 cw(c148.775,55) 150.025,55 150.025,45.025 cw(c148.75,45.025) 148.75,43.75 97.5,43.75 cw(c97.5,45) 96.25,45
GND on Top Layer "TGND" (solid, remove dead copper, pour order 59): 57.5,122.43 cw(c58.82,122.43) 58.82,123.75 72.453,123.75 cw(c72.453,122.453) 73.75,122.453 73.75,103.625 cw(c72.625,103.625) 72.625,102.5 70.05,102.5 cw(c70.05,103.75) 68.8,103.75 68.8,112.7 ccw(c67.75,112.7) 67.75,113.75 58.75,113.75 cw(c58.75,115) 57.5,115
GND on Top Layer "TGND" (solid, remove dead copper, pour order 57): 146.25,195.123 cw(c147.377,195.123) 147.377,196.25 180,196.25 cw(c180,195) 181.25,195 181.25,61.346 cw(c179.904,61.346) 179.904,60 147.5,60 cw(c147.5,61.25) 146.25,61.25
GND on Top Layer "TGND" (solid, remove dead copper, pour order 55): 2.5,157.5 ccw(c3.75,157.5) 3.75,156.25 60,156.25 ccw(c60,157.5) 61.25,157.5 61.25,192.5 ccw(c60,192.5) 60,193.75 13.75,193.75 ccw(c13.75,192.5) 12.5,192.5 12.5,188.75 cw(c11.25,188.75) 11.25,187.5 3.75,187.5 ccw(c3.75,186.25) 2.5,186.25

## Keep-outs
Keep-Out Layer:
  the board outline again, w0.3

## Silkscreen, mask and mechanical layers (free items; w line width, h text height)
Top Overlay:
  lines w0.5: 11.25,153.75 12.515,152.485 38.499,152.485 ; 26.25,93.75 33.748,93.75 36.25,91.248 36.25,45.06 37.56,43.75 81.25,43.75 ; 26.25,95 33.721,95 36.25,97.529 36.25,148.75 ; 33.673,39.885 34.583,41.25 177.8,41.25 178.801,39.933 ; 38.25,152.485 43.823,152.485 48.75,152.5 50,151.25 50,129.75 51.25,128.5 56,128.5 91.5,128.5 92.97,129.97 ; 103.75,136.221 105,134.971 140.029,134.971 141.25,133.75 141.25,57.5 142.5,56.25
  text "Power Section" at 51.25,151.488 h4 r270
  text "Feeding Control Section" at 38.75,142.5 h4 r270
  text "Acutators Section" at 103.25,136.25 h4
  text "Sensors Interface Section" at 40.07,45.06 h4
  text "Front Panel Interface Section" at 68.75,37 h4
Board Shape:
  the board outline again, w0.3

## Text inside footprints (layer, text, board x,y; h text height)
U31: Top Overlay "DRV8825 MODULE" at 26.609,144.31 h1.2 r270; Top Overlay "GND_L" at 25.859,146.81 h1.2 r180; Top Overlay "FLT" at 24.656,144.279 h1.2 r180; Top Overlay "A2" at 24.529,141.612 h1.2 r180; Top Overlay "A1" at 24.58,139.123 h1.2 r180; Top Overlay "B1" at 24.58,136.583 h1.2 r180; Top Overlay "B2" at 24.58,134.043 h1.2 r180; Top Overlay "GND_M" at 26.359,131.31 h1.2 r180; Top Overlay "V_MOT" at 26.359,128.81 h1.2 r180; Top Overlay "EN" at 30.359,128.81 h1.2 r180; Top Overlay "M0" at 30.359,131.31 h1.2 r180; Top Overlay "M1" at 30.359,133.81 h1.2 r180; Top Overlay "M2" at 30.359,136.31 h1.2 r180; Top Overlay "RST" at 30.859,138.81 h1.2 r180; Top Overlay "SLP" at 30.879,141.612 h1.2 r180; Top Overlay "STP" at 30.879,144.152 h1.2 r180; Top Overlay "DIR" at 30.879,146.565 h1.2 r180